# KiCad board UniDebug.kicad_pcb
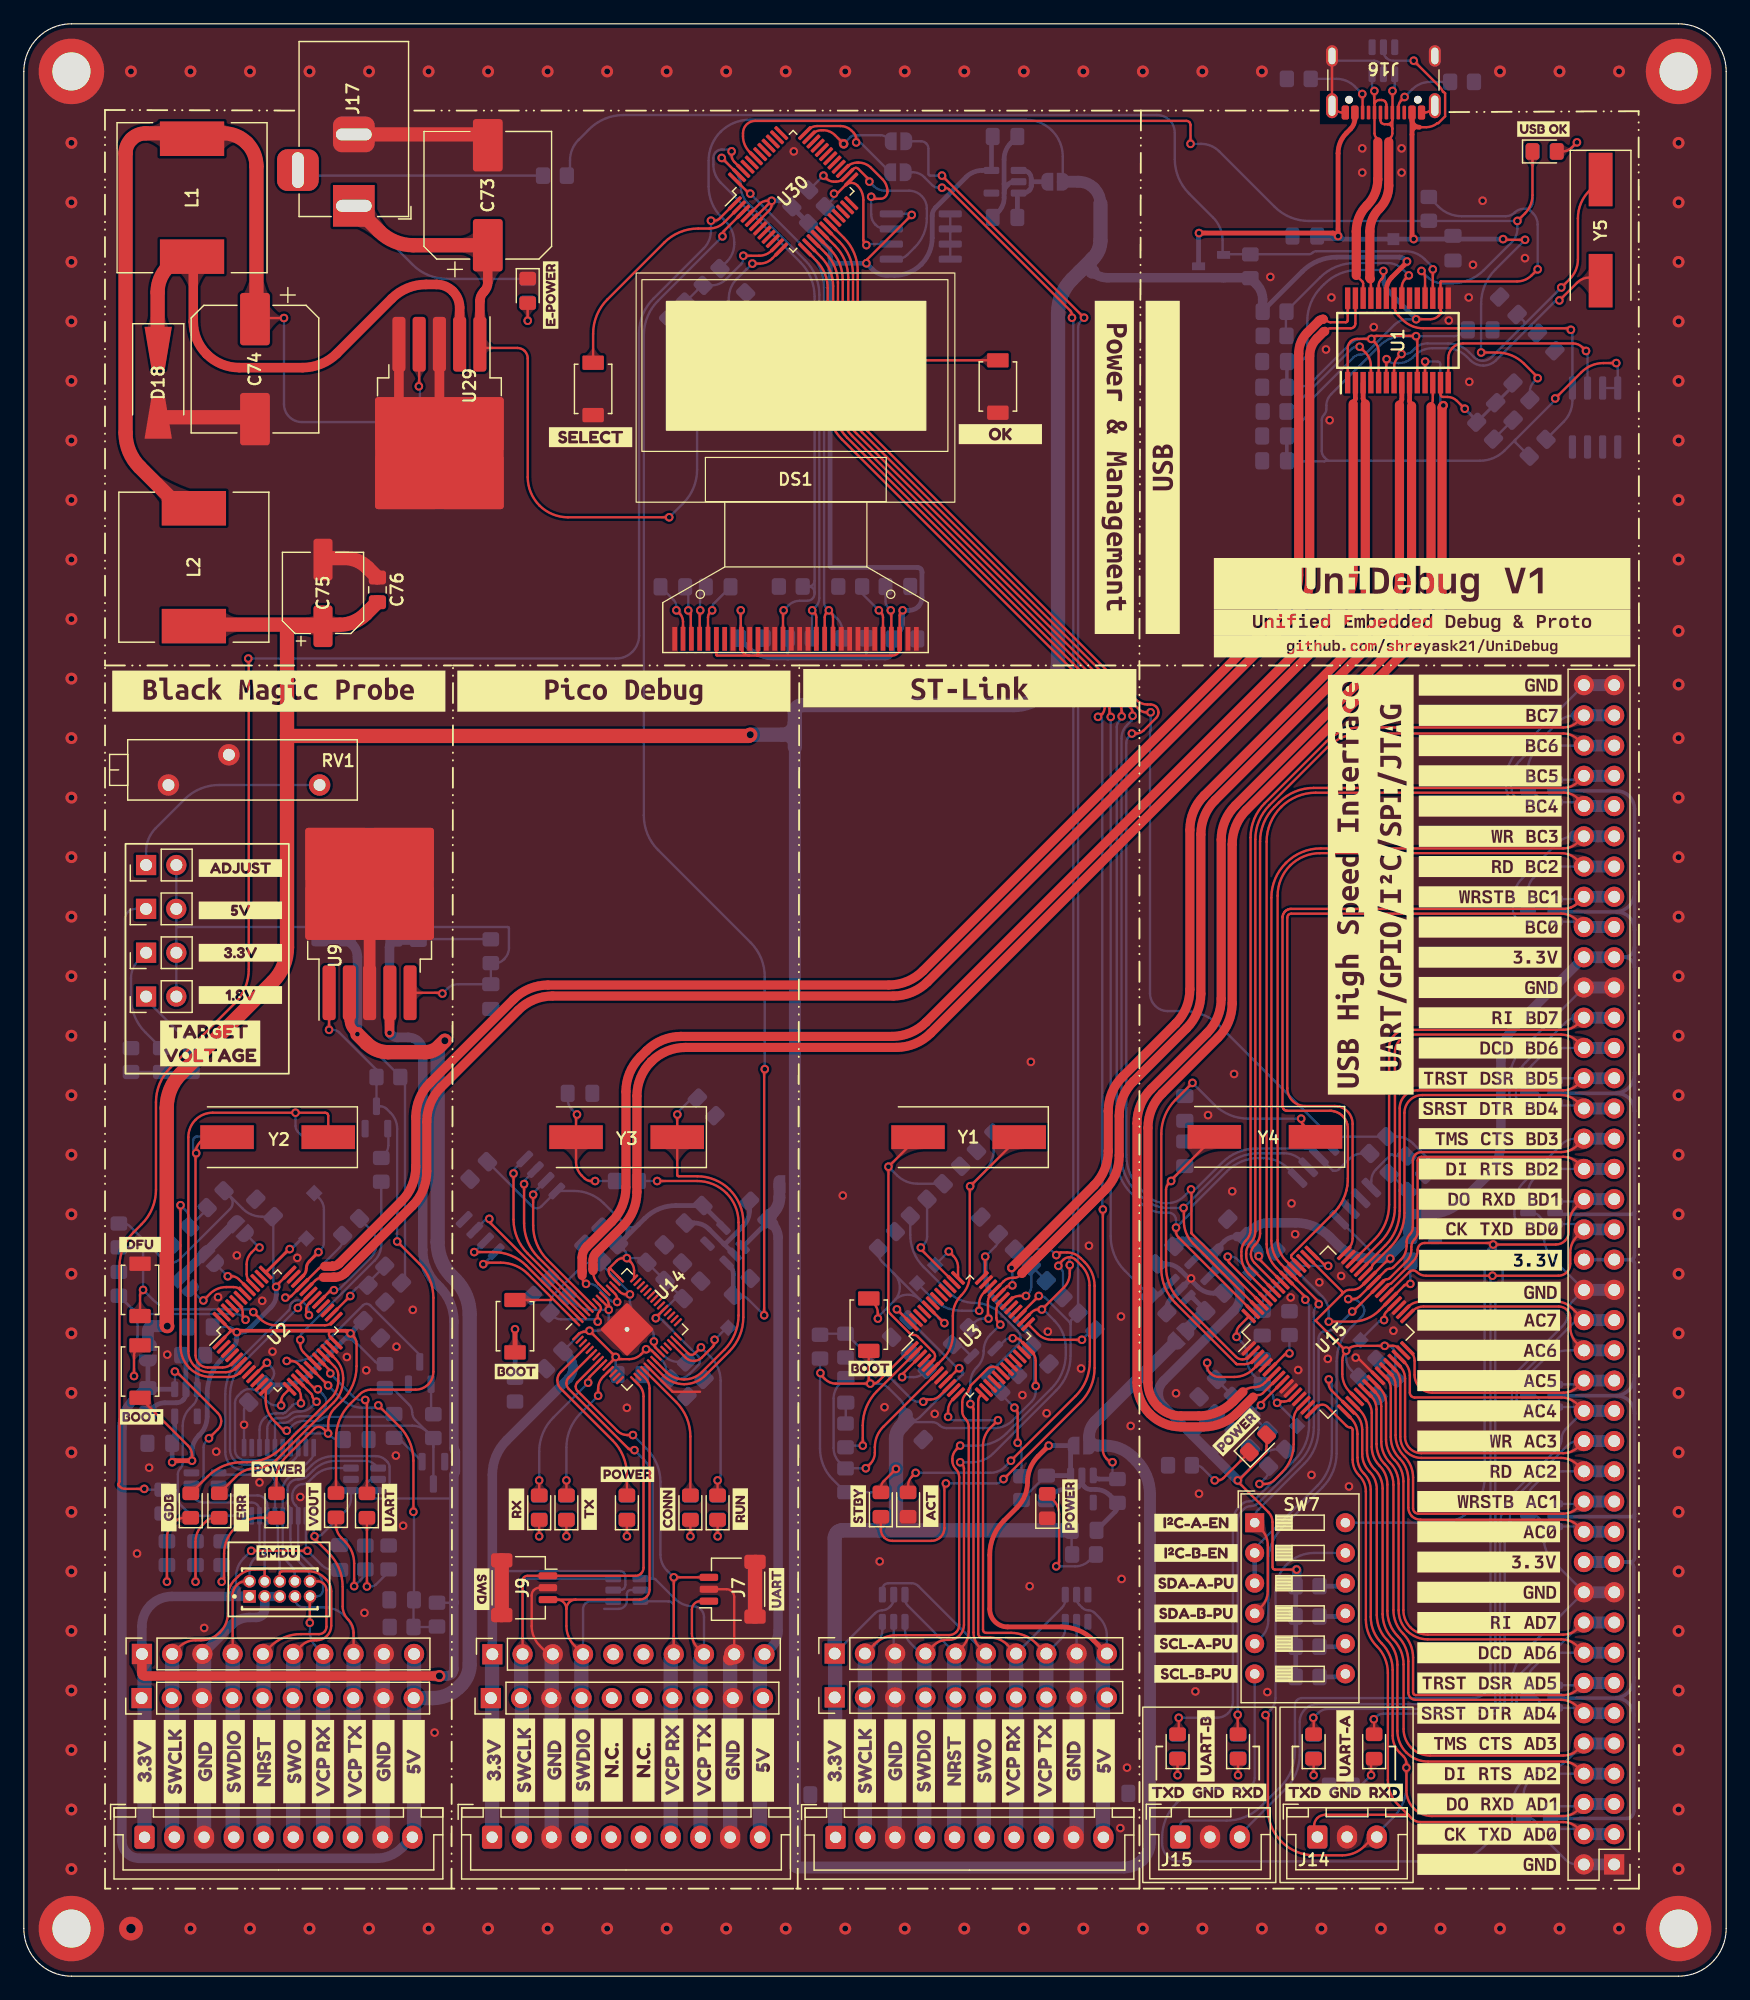
[diagram p0: board, top side]
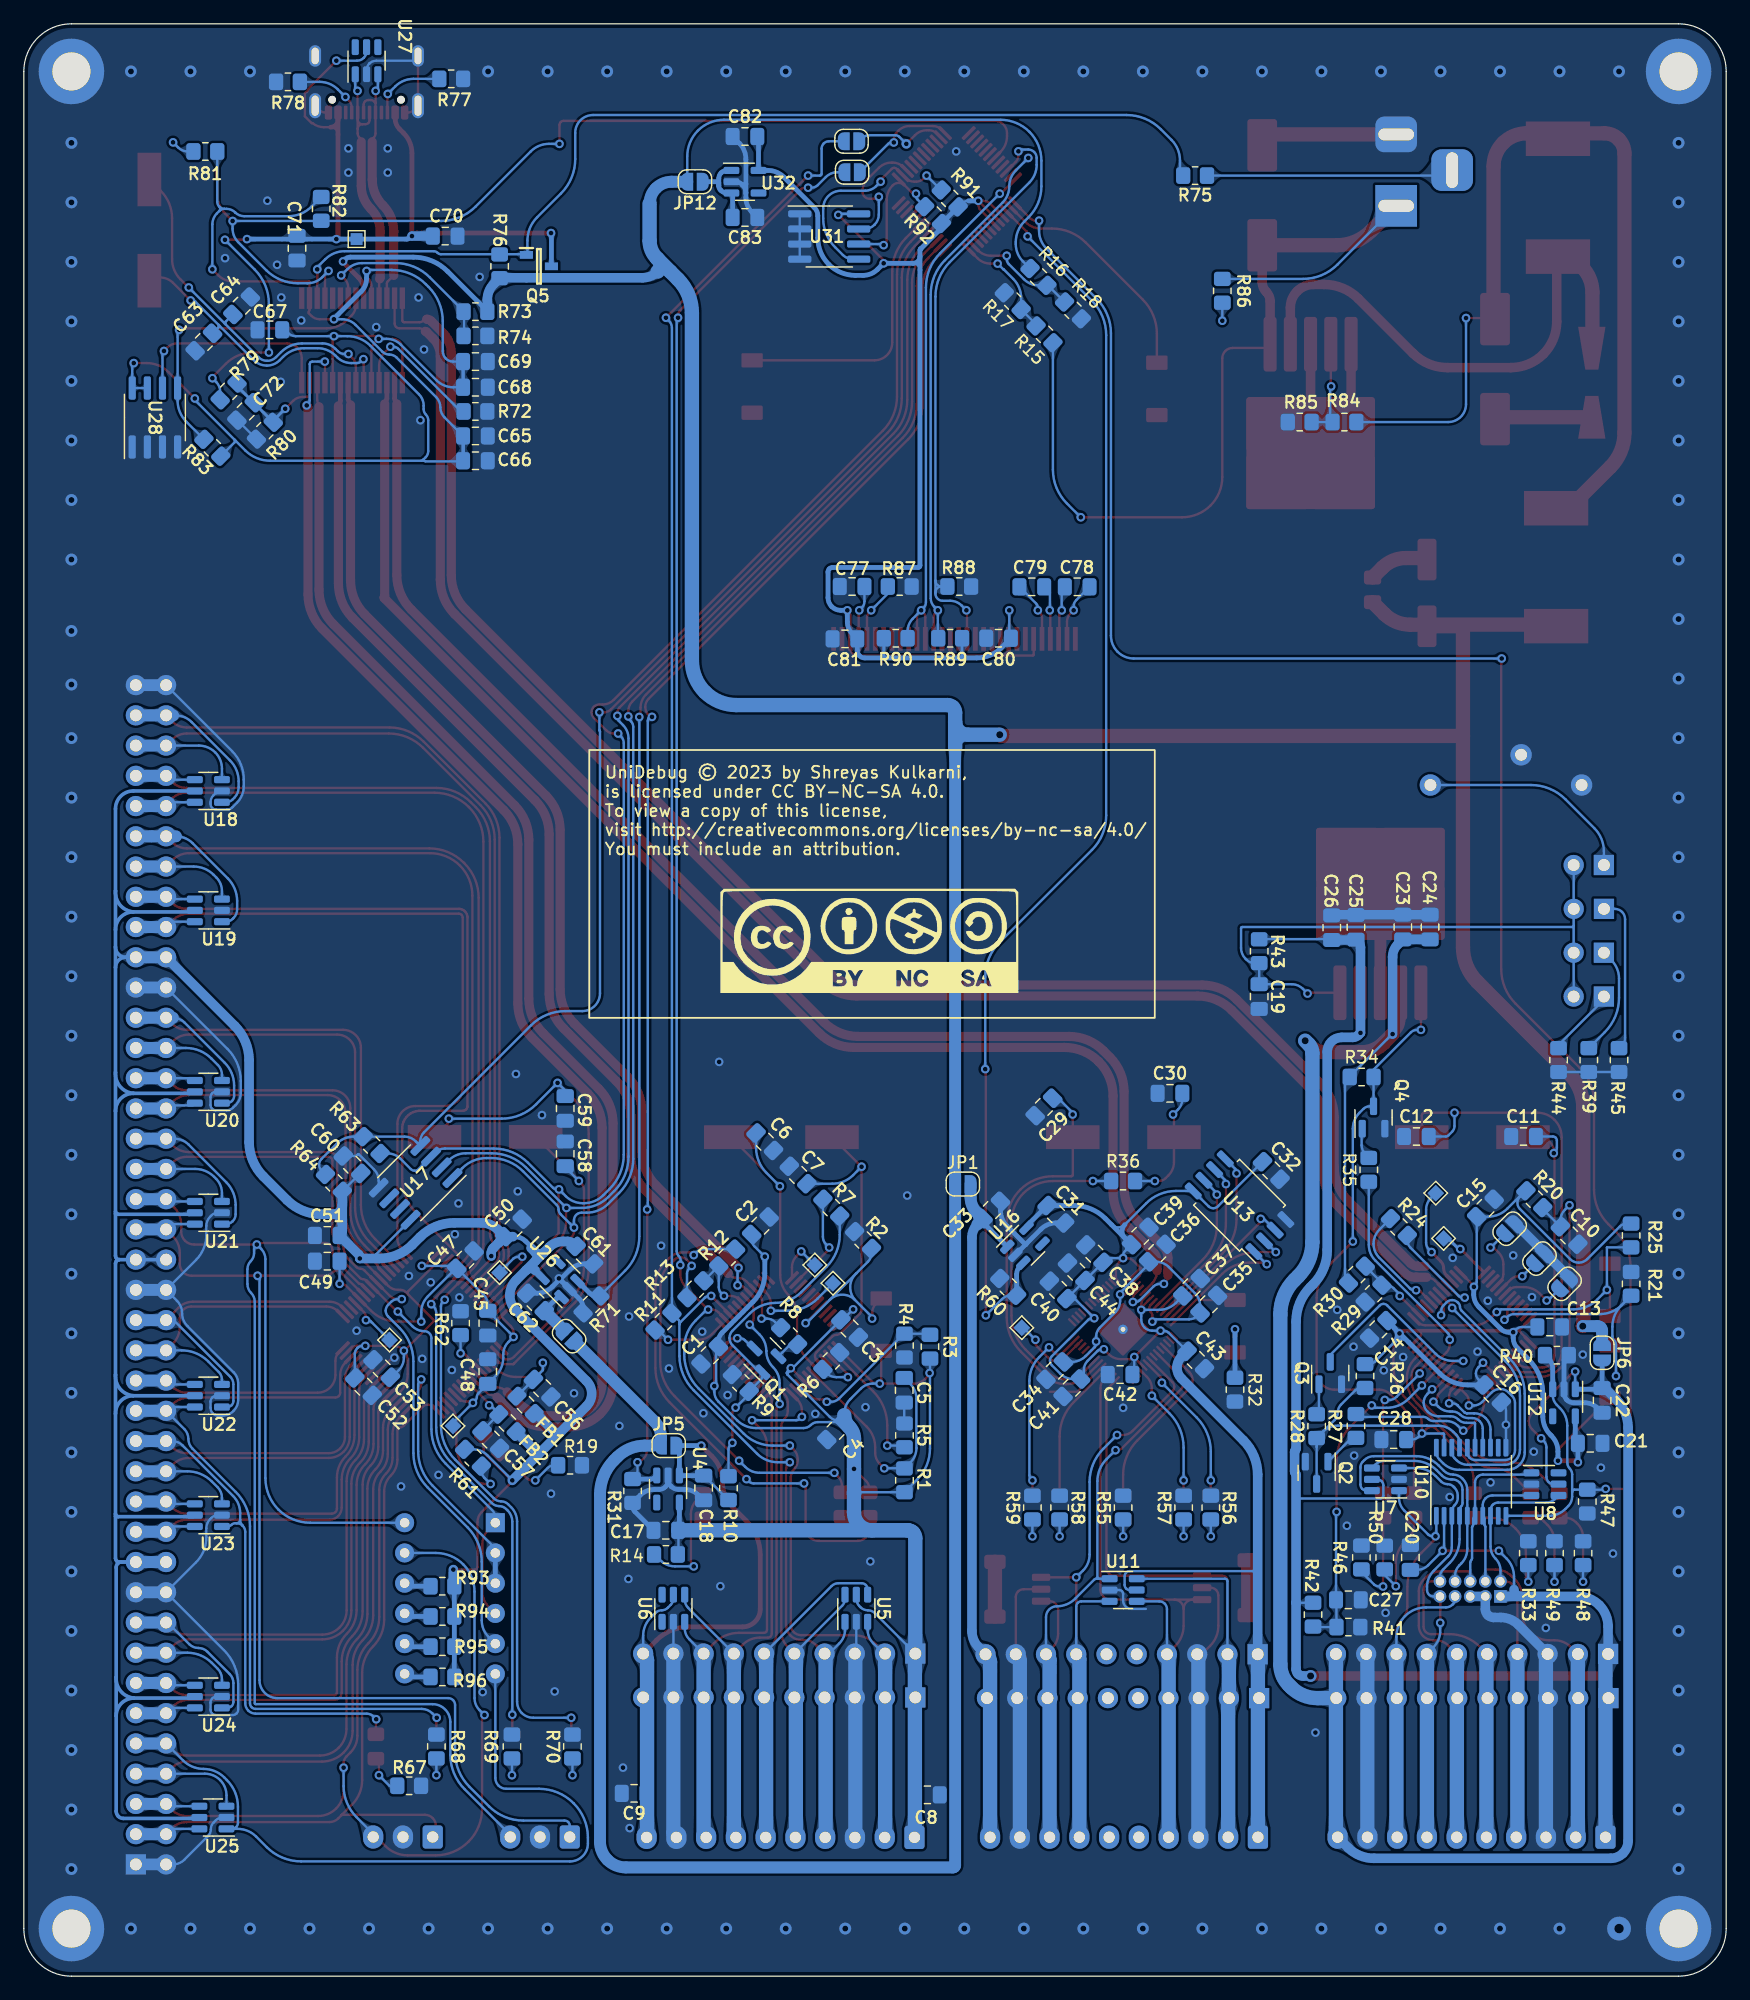
[diagram p1: board, bottom side, seen from below]

Outline 143 x 164 mm; copper layers: Top, Bottom. Coordinates in mm from the lower left corner of the outline.
Outline path: 0,160 0,4 arc(1.17,1.17) 4,0 139,0 arc(141.83,1.17) 143,4 143,160 arc(141.83,162.83) 139,164 4,164 arc(1.17,162.83) 0,160
Stack: Top 0.035mm / dielectric 1.51mm FR4 er 4.5 / Bottom 0.035mm

## Placement (name value [footprint] x y rotation side)
C1  100nF  [C_0805_2012Metric_Pad1.18x1.45mm_HandSolder]  85.39 52.16 315 bottom
C2  100nF  [C_0805_2012Metric_Pad1.18x1.45mm_HandSolder]  81.12 63.04 135 bottom
C3  100nF  [C_0805_2012Metric_Pad1.18x1.45mm_HandSolder]  73.63 54.4 225 bottom
C4  100nF  [C_0805_2012Metric_Pad1.18x1.45mm_HandSolder]  74.82 45.81 315 bottom
C5  100nF  [C_0805_2012Metric_Pad1.18x1.45mm_HandSolder]  69.05 49.22 270 bottom
C6  20p  [C_0805_2012Metric_Pad1.18x1.45mm_HandSolder]  80.76 70.1 45 bottom
C7  20p  [C_0805_2012Metric_Pad1.18x1.45mm_HandSolder]  77.96 67.3 225 bottom
C8  100nF  [C_0805_2012Metric_Pad1.18x1.45mm_HandSolder]  67.1 15.23 0 bottom
C9  100nF  [C_0805_2012Metric_Pad1.18x1.45mm_HandSolder]  91.74 15.36 0 bottom
C10  100nF  [C_0805_2012Metric_Pad1.18x1.45mm_HandSolder]  13.19 62.22 225 bottom
C11  20p  [C_0805_2012Metric_Pad1.18x1.45mm_HandSolder]  17.02 70.53 180 bottom
C12  20p  [C_0805_2012Metric_Pad1.18x1.45mm_HandSolder]  26.02 70.53 180 bottom
C13  100nF  [C_0805_2012Metric_Pad1.18x1.45mm_HandSolder]  14.82 54.53 180 bottom
C14  100nF  [C_0805_2012Metric_Pad1.18x1.45mm_HandSolder]  29.22 54.33 315 bottom
C15  100nF  [C_0805_2012Metric_Pad1.18x1.45mm_HandSolder]  20.22 64.53 135 bottom
C16  100nF  [C_0805_2012Metric_Pad1.18x1.45mm_HandSolder]  19.62 48.93 225 bottom
C17  10uF  [C_0805_2012Metric_Pad1.18x1.45mm_HandSolder]  89.07 37.46 0 bottom
C18  10uF  [C_0805_2012Metric_Pad1.18x1.45mm_HandSolder]  85.9 41.01 270 bottom
C19  100nF  [C_0805_2012Metric_Pad1.18x1.45mm_HandSolder]  39.23 82.29 270 bottom
C20  100nF  [C_0805_2012Metric_Pad1.18x1.45mm_HandSolder]  26.53 35.17 270 bottom
C21  10uF  [C_0805_2012Metric_Pad1.18x1.45mm_HandSolder]  11.42 44.77 180 bottom
C22  10uF  [C_0805_2012Metric_Pad1.18x1.45mm_HandSolder]  10.42 48.37 270 bottom
C23  10uF  [C_0805_2012Metric_Pad1.18x1.45mm_HandSolder]  27.16 88.13 90 bottom
C24  100nF  [C_0805_2012Metric_Pad1.18x1.45mm_HandSolder]  24.88 88.13 90 bottom
C25  100nF  [C_0805_2012Metric_Pad1.18x1.45mm_HandSolder]  31.1 88.11 90 bottom
C26  10uF  [C_0805_2012Metric_Pad1.18x1.45mm_HandSolder]  33.13 88.08 90 bottom
C27  100nF  [C_0805_2012Metric_Pad1.18x1.45mm_HandSolder]  31.74 31.61 0 bottom
C28  100nF  [C_0805_2012Metric_Pad1.18x1.45mm_HandSolder]  27.93 45.08 0 bottom
C29  20p  [C_0805_2012Metric_Pad1.18x1.45mm_HandSolder]  57.31 73.02 135 bottom
C30  20p  [C_0805_2012Metric_Pad1.18x1.45mm_HandSolder]  46.72 74.16 180 bottom
C31  10uF  [C_0805_2012Metric_Pad1.18x1.45mm_HandSolder]  56.3 64 225 bottom
C32  100n  [C_0805_2012Metric_Pad1.18x1.45mm_HandSolder]  38.21 67.68 225 bottom
C33  10uF  [C_0805_2012Metric_Pad1.18x1.45mm_HandSolder]  61.69 64.36 135 bottom
C34  100n  [C_0805_2012Metric_Pad1.18x1.45mm_HandSolder]  56.41 50.87 315 bottom
C35  100n  [C_0805_2012Metric_Pad1.18x1.45mm_HandSolder]  43.46 56.45 135 bottom
C36  10u  [C_0805_2012Metric_Pad1.18x1.45mm_HandSolder]  47.78 60.75 135 bottom
C37  100n  [C_0805_2012Metric_Pad1.18x1.45mm_HandSolder]  44.91 57.87 135 bottom
C38  10u  [C_0805_2012Metric_Pad1.18x1.45mm_HandSolder]  53.07 60.7 45 bottom
C39  100n  [C_0805_2012Metric_Pad1.18x1.45mm_HandSolder]  49.22 62.18 135 bottom
C40  100n  [C_0805_2012Metric_Pad1.18x1.45mm_HandSolder]  56.12 57.65 45 bottom
C41  100n  [C_0805_2012Metric_Pad1.18x1.45mm_HandSolder]  54.97 49.43 315 bottom
C42  100n  [C_0805_2012Metric_Pad1.18x1.45mm_HandSolder]  50.91 50.54 0 bottom
C43  100n  [C_0805_2012Metric_Pad1.18x1.45mm_HandSolder]  44.55 51.77 225 bottom
C44  100n  [C_0805_2012Metric_Pad1.18x1.45mm_HandSolder]  54.6 59.17 45 bottom
C45  100nF  [C_0805_2012Metric_Pad1.18x1.45mm_HandSolder]  104.03 54.86 270 bottom
C47  10uF  [C_0805_2012Metric_Pad1.18x1.45mm_HandSolder]  105.9 60.19 135 bottom
C48  100nF  [C_0805_2012Metric_Pad1.18x1.45mm_HandSolder]  104.03 50.79 90 bottom
C49  100nF  [C_0805_2012Metric_Pad1.18x1.45mm_HandSolder]  117.51 60.06 0 bottom
C50  100nF  [C_0805_2012Metric_Pad1.18x1.45mm_HandSolder]  101.87 62.86 135 bottom
C51  100nF  [C_0805_2012Metric_Pad1.18x1.45mm_HandSolder]  117.51 62.22 0 bottom
C52  100nF  [C_0805_2012Metric_Pad1.18x1.45mm_HandSolder]  114.46 49.52 225 bottom
C53  100nF  [C_0805_2012Metric_Pad1.18x1.45mm_HandSolder]  112.94 51.05 45 bottom
C56  10uF  [C_0805_2012Metric_Pad1.18x1.45mm_HandSolder]  99.46 49.39 45 bottom
C57  10uF  [C_0805_2012Metric_Pad1.18x1.45mm_HandSolder]  103.77 45.08 45 bottom
C58  20p  [C_0805_2012Metric_Pad1.18x1.45mm_HandSolder]  97.52 69.08 270 bottom
C59  20p  [C_0805_2012Metric_Pad1.18x1.45mm_HandSolder]  97.52 72.89 90 bottom
C60  100nF  [C_0805_2012Metric_Pad1.18x1.45mm_HandSolder]  115.43 68.17 45 bottom
C61  10uF  [C_0805_2012Metric_Pad1.18x1.45mm_HandSolder]  95.87 60.57 225 bottom
C62  10uF  [C_0805_2012Metric_Pad1.18x1.45mm_HandSolder]  100.01 56.64 45 bottom
C63  20p  [C_0805_2012Metric_Pad1.18x1.45mm_HandSolder]  127.88 137.27 135 bottom
C64  20p  [C_0805_2012Metric_Pad1.18x1.45mm_HandSolder]  124.7 140.32 315 bottom
C65  100nF  [C_0805_2012Metric_Pad1.18x1.45mm_HandSolder]  105.06 129.38 180 bottom
C66  100nF  [C_0805_2012Metric_Pad1.18x1.45mm_HandSolder]  105.06 127.3 0 bottom
C67  100nF  [C_0805_2012Metric_Pad1.18x1.45mm_HandSolder]  122.34 138.3 180 bottom
C68  100nF  [C_0805_2012Metric_Pad1.18x1.45mm_HandSolder]  105.06 133.47 0 bottom
C69  10uF  [C_0805_2012Metric_Pad1.18x1.45mm_HandSolder]  105.06 135.63 180 bottom
C70  100nF  [C_0805_2012Metric_Pad1.18x1.45mm_HandSolder]  107.6 146.17 180 bottom
C71  10uF  [C_0805_2012Metric_Pad1.18x1.45mm_HandSolder]  120.05 145.15 270 bottom
C72  100nF  [C_0805_2012Metric_Pad1.18x1.45mm_HandSolder]  124.37 131.44 315 bottom
C73  220uF  [CP_Elec_10x10.5]  38.97 149.6 90 top
C74  220uF  [CP_Elec_10x10.5]  19.42 134.99 270 top
C75  120uF  [CP_Elec_6.3x5.4]  25.13 116.2 90 top
C76  100nF  [C_0805_2012Metric_Pad1.18x1.45mm_HandSolder]  29.7 116.45 90 top
C77  10uF  [C_0805_2012Metric_Pad1.18x1.45mm_HandSolder]  73.42 116.73 180 bottom
C78  10uF  [C_0805_2012Metric_Pad1.18x1.45mm_HandSolder]  54.52 116.71 0 bottom
C79  10uF  [C_0805_2012Metric_Pad1.18x1.45mm_HandSolder]  58.33 116.71 0 bottom
C80  10uF  [C_0805_2012Metric_Pad1.18x1.45mm_HandSolder]  61.12 112.39 180 bottom
C81  100nF  [C_0805_2012Metric_Pad1.18x1.45mm_HandSolder]  74.02 112.33 180 bottom
C82  10uF  [C_0805_2012Metric_Pad1.18x1.45mm_HandSolder]  82.42 154.53 0 bottom
C83  10uF  [C_0805_2012Metric_Pad1.18x1.45mm_HandSolder]  82.42 147.73 180 bottom
D1  BLUE  [LED_0805_2012Metric_Pad1.15x1.40mm_HandSolder]  71.99 39.62 90 top
D2  RED  [LED_0805_2012Metric_Pad1.15x1.40mm_HandSolder]  74.28 39.62 90 top
D3  ORANGE  [LED_0805_2012Metric_Pad1.15x1.40mm_HandSolder]  21.22 39.53 90 top
D4  YELLOW  [LED_0805_2012Metric_Pad1.15x1.40mm_HandSolder]  28.82 39.53 90 top
D5  GREEN  [LED_0805_2012Metric_Pad1.15x1.40mm_HandSolder]  14.02 39.53 90 top
D6  RED  [LED_0805_2012Metric_Pad1.15x1.40mm_HandSolder]  16.42 39.53 90 top
D7  BLUE  [LED_0805_2012Metric_Pad1.15x1.40mm_HandSolder]  26.22 39.56 90 top
D8  ORANGE  [LED_0805_2012Metric_Pad1.15x1.40mm_HandSolder]  50.66 39.36 90 top
D9  BLUE  [LED_0805_2012Metric_Pad1.15x1.40mm_HandSolder]  43.29 39.36 90 top
D10  BLUE  [LED_0805_2012Metric_Pad1.15x1.40mm_HandSolder]  45.58 39.36 90 top
D11  YELLOW  [LED_0805_2012Metric_Pad1.15x1.40mm_HandSolder]  55.99 39.36 90 top
D12  GREEN  [LED_0805_2012Metric_Pad1.15x1.40mm_HandSolder]  58.28 39.36 90 top
D13  BLUE  [LED_0805_2012Metric_Pad1.15x1.40mm_HandSolder]  113.43 19.3 90 top
D14  BLUE  [LED_0805_2012Metric_Pad1.15x1.40mm_HandSolder]  108.35 19.3 90 top
D15  BLUE  [LED_0805_2012Metric_Pad1.15x1.40mm_HandSolder]  102 19.3 90 top
D16  BLUE  [LED_0805_2012Metric_Pad1.15x1.40mm_HandSolder]  96.92 19.3 90 top
D17  ORANGE  [LED_0805_2012Metric_Pad1.15x1.40mm_HandSolder]  127.75 153.27 0 top
D18  SS34  [D_SMA-SMB_Universal_Handsoldering]  11.29 133.85 270 top
D19  ORANGE  [LED_0805_2012Metric_Pad1.15x1.40mm_HandSolder]  42.33 141.57 270 top
D20  ORANGE  [LED_0805_2012Metric_Pad1.15x1.40mm_HandSolder]  85.96 39.49 90 top
D21  ORANGE  [LED_0805_2012Metric_Pad1.15x1.40mm_HandSolder]  103.67 44.75 45 top
DS1  -  [OLED-128O064D]  64.82 112.33 0 top
FB1  600E-500mA  [L_0805_2012Metric_Pad1.15x1.40mm_HandSolder]  100.85 48 45 bottom
FB2  600E-500mA  [L_0805_2012Metric_Pad1.15x1.40mm_HandSolder]  102.38 46.47 45 bottom
G***  -  [LOGO]  72 87 180 bottom
H1  MountingHole_Pad_MP  [MountingHole_3.2mm_M3_ISO14580_Pad_TopBottom]  4 4 0 top
H2  MountingHole_Pad_MP  [MountingHole_3.2mm_M3_ISO14580_Pad_TopBottom]  4 160 0 top
H3  MountingHole_Pad_MP  [MountingHole_3.2mm_M3_ISO14580_Pad_TopBottom]  139 160 0 top
H4  MountingHole_Pad_MP  [MountingHole_3.2mm_M3_ISO14580_Pad_TopBottom]  139 4 0 top
J1  JST  [JST_XH_B10B-XH-A_1x10_P2.50mm_Vertical]  10.14 11.68 0 top
J2  JST  [JST_XH_B10B-XH-A_1x10_P2.50mm_Vertical]  68.18 11.66 0 top
J3  MALE  [PinHeader_1x10_P2.54mm_Vertical]  68.12 23.42 90 top
J4  FEMALE  [PinSocket_1x10_P2.54mm_Vertical]  68.12 27.1 90 top
J5  MALE  [PinHeader_1x10_P2.54mm_Vertical]  9.89 23.36 90 top
J6  FEMALE  [PinSocket_1x10_P2.54mm_Vertical]  9.92 27.07 90 top
J7  JST  [JST_SH_SM03B-SRSS-TB_1x03-1MP_P1.00mm_Horizontal]  59.55 32.5 90 top
J8  BMDU  [FTSH-105-01-L-D]  18.96 31.9 0 top
J9  JST  [JST_SH_SM03B-SRSS-TB_1x03-1MP_P1.00mm_Horizontal]  42.02 32.63 270 top
J10  JST  [JST_XH_B10B-XH-A_1x10_P2.50mm_Vertical]  39.33 11.68 0 top
J11  MALE  [PinHeader_1x10_P2.54mm_Vertical]  39.23 23.36 90 top
J12  FEMALE  [PinSocket_1x10_P2.54mm_Vertical]  39.36 27.04 90 top
J13  FTDI  [PinHeader_2x40_P2.54mm_Vertical]  133.59 9.39 180 top
J14  UART  [JST_XH_B3B-XH-A_1x03_P2.50mm_Vertical]  108.65 11.69 0 top
J15  UART  [JST_XH_B3B-XH-A_1x03_P2.50mm_Vertical]  97.14 11.69 0 top
J16  USB_C_Receptacle_USB2.0  [USB_C_Receptacle_GCT_USB4105-xx-A_16P_TopMnt_Horizontal]  114.21 160.23 180 top
J17  EXTPWR  [BarrelJack_Horizontal]  27.72 148.71 270 top
JP1  SolderJumper_2_Bridged  [SolderJumper-2_P1.3mm_Open_RoundedPad1.0x1.5mm]  64.12 66.54 180 bottom
JP2  SolderJumper_2_Open  [SolderJumper-2_P1.3mm_Open_RoundedPad1.0x1.5mm#2]  18.19 62.79 315 bottom
JP3  SolderJumper_2_Open  [SolderJumper-2_P1.3mm_Open_RoundedPad1.0x1.5mm#2]  15.68 60.28 315 bottom
JP4  SolderJumper_2_Open  [SolderJumper-2_P1.3mm_Open_RoundedPad1.0x1.5mm#2]  13.57 58.16 315 bottom
JP5  SolderJumper_2_Bridged  [SolderJumper-2_P1.3mm_Open_RoundedPad1.0x1.5mm]  88.83 44.57 180 bottom
JP6  SolderJumper_2_Bridged  [SolderJumper-2_P1.3mm_Open_RoundedPad1.0x1.5mm]  10.42 52.37 270 bottom
JP7  3V3  [PinHeader_1x02_P2.54mm_Vertical]  10.27 85.97 90 top
JP8  1V8  [PinHeader_1x02_P2.54mm_Vertical]  10.27 82.29 90 top
JP9  ADJ  [PinHeader_1x02_P2.54mm_Vertical]  10.27 93.34 90 top
JP10  5V0  [PinHeader_1x02_P2.54mm_Vertical]  10.27 89.66 90 top
JP11  SolderJumper_2_Bridged  [SolderJumper-2_P1.3mm_Open_RoundedPad1.0x1.5mm#2]  97.19 53.77 225 bottom
JP12  SolderJumper_2_Bridged  [SolderJumper-2_P1.3mm_Open_RoundedPad1.0x1.5mm]  86.62 150.73 0 bottom
JP13  SolderJumper_2_Bridged  [SolderJumper-2_P1.3mm_Open_RoundedPad1.0x1.5mm]  73.47 154.13 180 bottom
JP14  SolderJumper_2_Bridged  [SolderJumper-2_P1.3mm_Open_RoundedPad1.0x1.5mm]  73.42 151.53 180 bottom
kibuzzard-6581B7F2  G***  [kibuzzard-6581B7F2]  15.23 18.03 90 top
kibuzzard-6581B7F2#2  G***  [kibuzzard-6581B7F2]  73.2 18.08 90 top
kibuzzard-6581B7F2#3  G***  [kibuzzard-6581B7F2]  44.56 18.15 90 top
kibuzzard-6581B8A3  G***  [kibuzzard-6581B8A3]  88.18 18.08 90 top
kibuzzard-6581B8A3#2  G***  [kibuzzard-6581B8A3]  30.21 18.03 90 top
kibuzzard-6581B8A3#3  G***  [kibuzzard-6581B8A3]  59.55 18.15 90 top
kibuzzard-6581B8AE  G***  [kibuzzard-6581B8AE]  90.72 18.08 90 top
kibuzzard-6581B8AE#2  G***  [kibuzzard-6581B8AE]  62.09 18.15 90 top
kibuzzard-6581B8AE#3  G***  [kibuzzard-6581B8AE]  32.75 18.03 90 top
kibuzzard-6581B74B  G***  [kibuzzard-6581B74B]  12.69 18.03 90 top
kibuzzard-6581B74B#2  G***  [kibuzzard-6581B74B]  70.66 18.08 90 top
kibuzzard-6581B74B#3  G***  [kibuzzard-6581B74B]  42.02 18.15 90 top
kibuzzard-6581B75A  G***  [kibuzzard-6581B75A]  39.48 18.15 90 top
kibuzzard-6581B75A#2  G***  [kibuzzard-6581B75A]  10.15 18.03 90 top
kibuzzard-6581B75A#3  G***  [kibuzzard-6581B75A]  68.12 18.08 90 top
kibuzzard-6581B81F  G***  [kibuzzard-6581B81F]  78.15 18.08 90 top
kibuzzard-6581B81F#2  G***  [kibuzzard-6581B81F]  20.18 18.03 90 top
kibuzzard-6581B84D  G***  [kibuzzard-6581B84D]  83.1 18.08 90 top
kibuzzard-6581B84D#2  G***  [kibuzzard-6581B84D]  54.47 18.15 90 top
kibuzzard-6581B84D#3  G***  [kibuzzard-6581B84D]  25.13 18.03 90 top
kibuzzard-6581B803  G***  [kibuzzard-6581B803]  46.98 18.15 90 top
kibuzzard-6581B803#2  G***  [kibuzzard-6581B803]  75.61 18.08 90 top
kibuzzard-6581B803#3  G***  [kibuzzard-6581B803]  17.64 18.03 90 top
kibuzzard-6581B832  G***  [kibuzzard-6581B832]  22.72 18.03 90 top
kibuzzard-6581B832#2  G***  [kibuzzard-6581B832]  80.69 18.08 90 top
kibuzzard-6581B861  G***  [kibuzzard-6581B861]  57.14 18.15 90 top
kibuzzard-6581B861#2  G***  [kibuzzard-6581B861]  27.8 18.03 90 top
kibuzzard-6581B861#3  G***  [kibuzzard-6581B861]  85.77 18.08 90 top
kibuzzard-6581CC8D  G***  [kibuzzard-6581CC8D]  123.18 70.35 0 top
kibuzzard-6581CC90  G***  [kibuzzard-6581CC90]  123.18 67.81 0 top
kibuzzard-6581CC95  G***  [kibuzzard-6581CC95]  123.18 65.27 0 top
kibuzzard-6581CCD4  G***  [kibuzzard-6581CCD4]  123.18 62.78 0 top
kibuzzard-6581CE3C  G***  [kibuzzard-6581CE3C]  123.18 108.45 0 top
kibuzzard-6581CE92  G***  [kibuzzard-6581CE92]  123.18 103.37 0 top
kibuzzard-6581CECE  G***  [kibuzzard-6581CECE]  123.18 100.83 0 top
kibuzzard-6581CF00  G***  [kibuzzard-6581CF00]  123.18 95.75 0 top
kibuzzard-6581CF4A  G***  [kibuzzard-6581CF4A]  123.18 98.29 0 top
kibuzzard-6581CF7B  G***  [kibuzzard-6581CF7B]  123.18 90.67 0 top
kibuzzard-6581CF42  G***  [kibuzzard-6581CF42]  123.18 105.91 0 top
kibuzzard-6581CF61  G***  [kibuzzard-6581CF61]  123.18 93.21 0 top
kibuzzard-6581CFC6  G***  [kibuzzard-6581CFC6]  123.18 88.13 0 top
kibuzzard-6581CFD3  G***  [kibuzzard-6581CFD3]  123.18 85.59 0 top
kibuzzard-6581CFD3#2  G***  [kibuzzard-6581CFD3]  123.05 34.79 0 top
kibuzzard-6581CFD3#3  G***  [kibuzzard-6581CFD3]  123.2 60.14 0 top
kibuzzard-6581CFE0  G***  [kibuzzard-6581CFE0]  123.1 57.45 0 top
kibuzzard-6581CFE0#2  G***  [kibuzzard-6581CFE0]  123.05 9.39 0 top
kibuzzard-6581CFE0#3  G***  [kibuzzard-6581CFE0]  123.18 83.05 0 top
kibuzzard-6581CFE0#4  G***  [kibuzzard-6581CFE0]  123.05 32.25 0 top
kibuzzard-6581D0E4  G***  [kibuzzard-6581D0E4]  123.18 80.51 0 top
kibuzzard-6581D0EC  G***  [kibuzzard-6581D0EC]  123.18 77.97 0 top
kibuzzard-6581D4A1  G***  [kibuzzard-6581D4A1]  123.05 24.63 0 top
kibuzzard-6581D4A9  G***  [kibuzzard-6581D4A9]  123.05 22.09 0 top
kibuzzard-6581D4B0  G***  [kibuzzard-6581D4B0]  123.05 19.55 0 top
kibuzzard-6581D4B8  G***  [kibuzzard-6581D4B8]  123.05 17.01 0 top
kibuzzard-6581D4BF  G***  [kibuzzard-6581D4BF]  123.05 14.47 0 top
kibuzzard-6581D4C7  G***  [kibuzzard-6581D4C7]  123.05 11.93 0 top
kibuzzard-6581D10C  G***  [kibuzzard-6581D10C]  123.18 75.43 0 top
kibuzzard-6581D42A  G***  [kibuzzard-6581D42A]  123.05 55.11 0 top
kibuzzard-6581D43B  G***  [kibuzzard-6581D43B]  123.05 50.03 0 top
kibuzzard-6581D44A  G***  [kibuzzard-6581D44A]  123.05 44.95 0 top
kibuzzard-6581D48B  G***  [kibuzzard-6581D48B]  123.05 29.71 0 top
kibuzzard-6581D366  G***  [kibuzzard-6581D366]  123.18 72.89 0 top
kibuzzard-6581D433  G***  [kibuzzard-6581D433]  123.05 52.57 0 top
kibuzzard-6581D441  G***  [kibuzzard-6581D441]  123.05 47.49 0 top
kibuzzard-6581D451  G***  [kibuzzard-6581D451]  123.05 42.41 0 top
kibuzzard-6581D458  G***  [kibuzzard-6581D458]  123.05 39.87 0 top
kibuzzard-6581D460  G***  [kibuzzard-6581D460]  123.05 37.33 0 top
kibuzzard-6581D491  G***  [kibuzzard-6581D491]  123.05 27.17 0 top
kibuzzard-6582E096  G***  [kibuzzard-6582E096]  113.14 91.69 90 top
kibuzzard-6584A4D4  G***  [kibuzzard-6584A4D4]  70.09 39.49 90 top
kibuzzard-6584A4D9  G***  [kibuzzard-6584A4D9]  76.19 39.49 90 top
kibuzzard-6584B1EB  G***  [kibuzzard-6584B1EB]  21.42 107.94 0 top
kibuzzard-6588A41B  G***  [kibuzzard-6588A41B]  98.46 33.01 0 top
kibuzzard-6588A42B  G***  [kibuzzard-6588A42B]  98.46 38.09 0 top
kibuzzard-6588A43C  G***  [kibuzzard-6588A43C]  98.46 25.39 0 top
kibuzzard-6588A62F  G***  [kibuzzard-6588A62F]  18.2 89.53 0 top
kibuzzard-6588A63A  G***  [kibuzzard-6588A63A]  18.2 93.08 0 top
kibuzzard-6588A68C  G***  [kibuzzard-6588A68C]  15.66 78.35 0 top
kibuzzard-6588A421  G***  [kibuzzard-6588A421]  98.46 35.55 0 top
kibuzzard-6588A433  G***  [kibuzzard-6588A433]  98.46 30.47 0 top
kibuzzard-6588A438  G***  [kibuzzard-6588A438]  98.46 27.93 0 top
kibuzzard-6588A649  G***  [kibuzzard-6588A649]  18.2 85.97 0 top
kibuzzard-6588A650  G***  [kibuzzard-6588A650]  18.2 82.42 0 top
kibuzzard-6588B1EE  G***  [kibuzzard-6588B1EE]  21.37 35.55 0 top
kibuzzard-6588B4CE  G***  [kibuzzard-6588B4CE]  44.26 141.22 90 top
kibuzzard-6588B16F  G***  [kibuzzard-6588B16F]  117.46 111.68 0 top
kibuzzard-6588B099  G***  [kibuzzard-6588B099]  117.46 116.96 0 top
kibuzzard-6588B134  G***  [kibuzzard-6588B134]  117.46 113.68 0 top
kibuzzard-6588B469  G***  [kibuzzard-6588B469]  127.64 155.16 0 top
kibuzzard-65847D1B  G***  [kibuzzard-65847D1B]  41.39 39.22 90 top
kibuzzard-65847D07  G***  [kibuzzard-65847D07]  47.48 39.23 90 top
kibuzzard-65886A1C  G***  [kibuzzard-65886A1C]  99.3 19.35 90 top
kibuzzard-65886A32  G***  [kibuzzard-65886A32]  110.98 19.35 90 top
kibuzzard-65886A67  G***  [kibuzzard-65886A67]  99.43 15.44 0 top
kibuzzard-65886A67#2  G***  [kibuzzard-65886A67]  110.91 15.44 0 top
kibuzzard-65888FD3  G***  [kibuzzard-65888FD3]  30.72 39.36 90 top
kibuzzard-65888FD6  G***  [kibuzzard-65888FD6]  24.34 39.44 90 top
kibuzzard-65888FDC  G***  [kibuzzard-65888FDC]  18.27 39.36 90 top
kibuzzard-65888FE0  G***  [kibuzzard-65888FE0]  12.18 39.36 90 top
kibuzzard-658480D4  G***  [kibuzzard-658480D4]  50.71 42.16 0 top
kibuzzard-658480D4#2  G***  [kibuzzard-658480D4]  21.37 42.59 0 top
kibuzzard-658480D4#3  G***  [kibuzzard-658480D4]  87.87 39.49 90 top
kibuzzard-658480D4#4  G***  [kibuzzard-658480D4]  101.86 45.69 45 top